# KiCad board coils_12_35_10_8_layer.kicad_pcb
title: Knobby Coil PCB 8 Layer; date: 2023-02-03; rev: 2.0
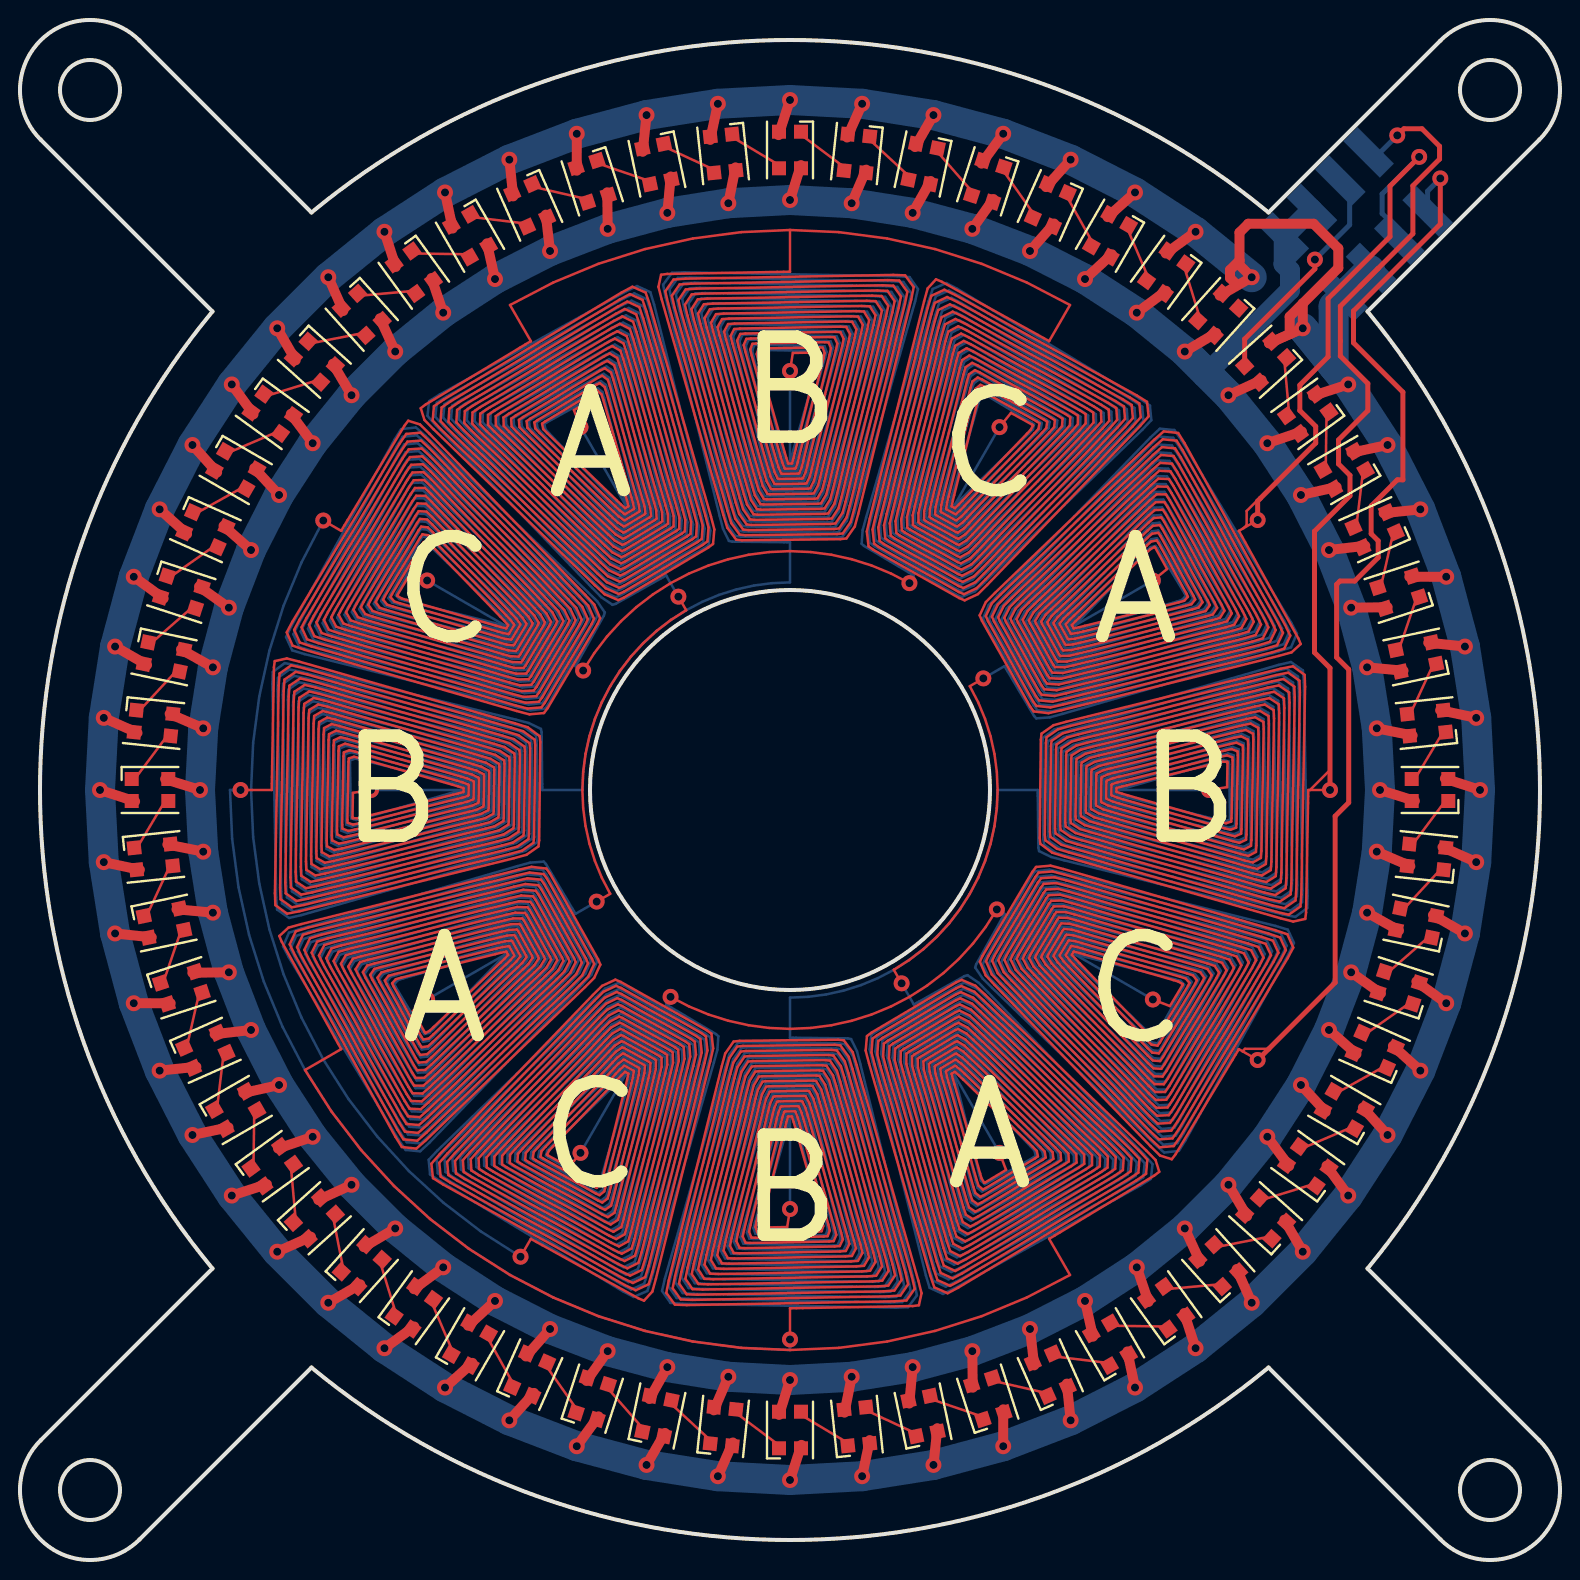
[diagram p0: board, top side]
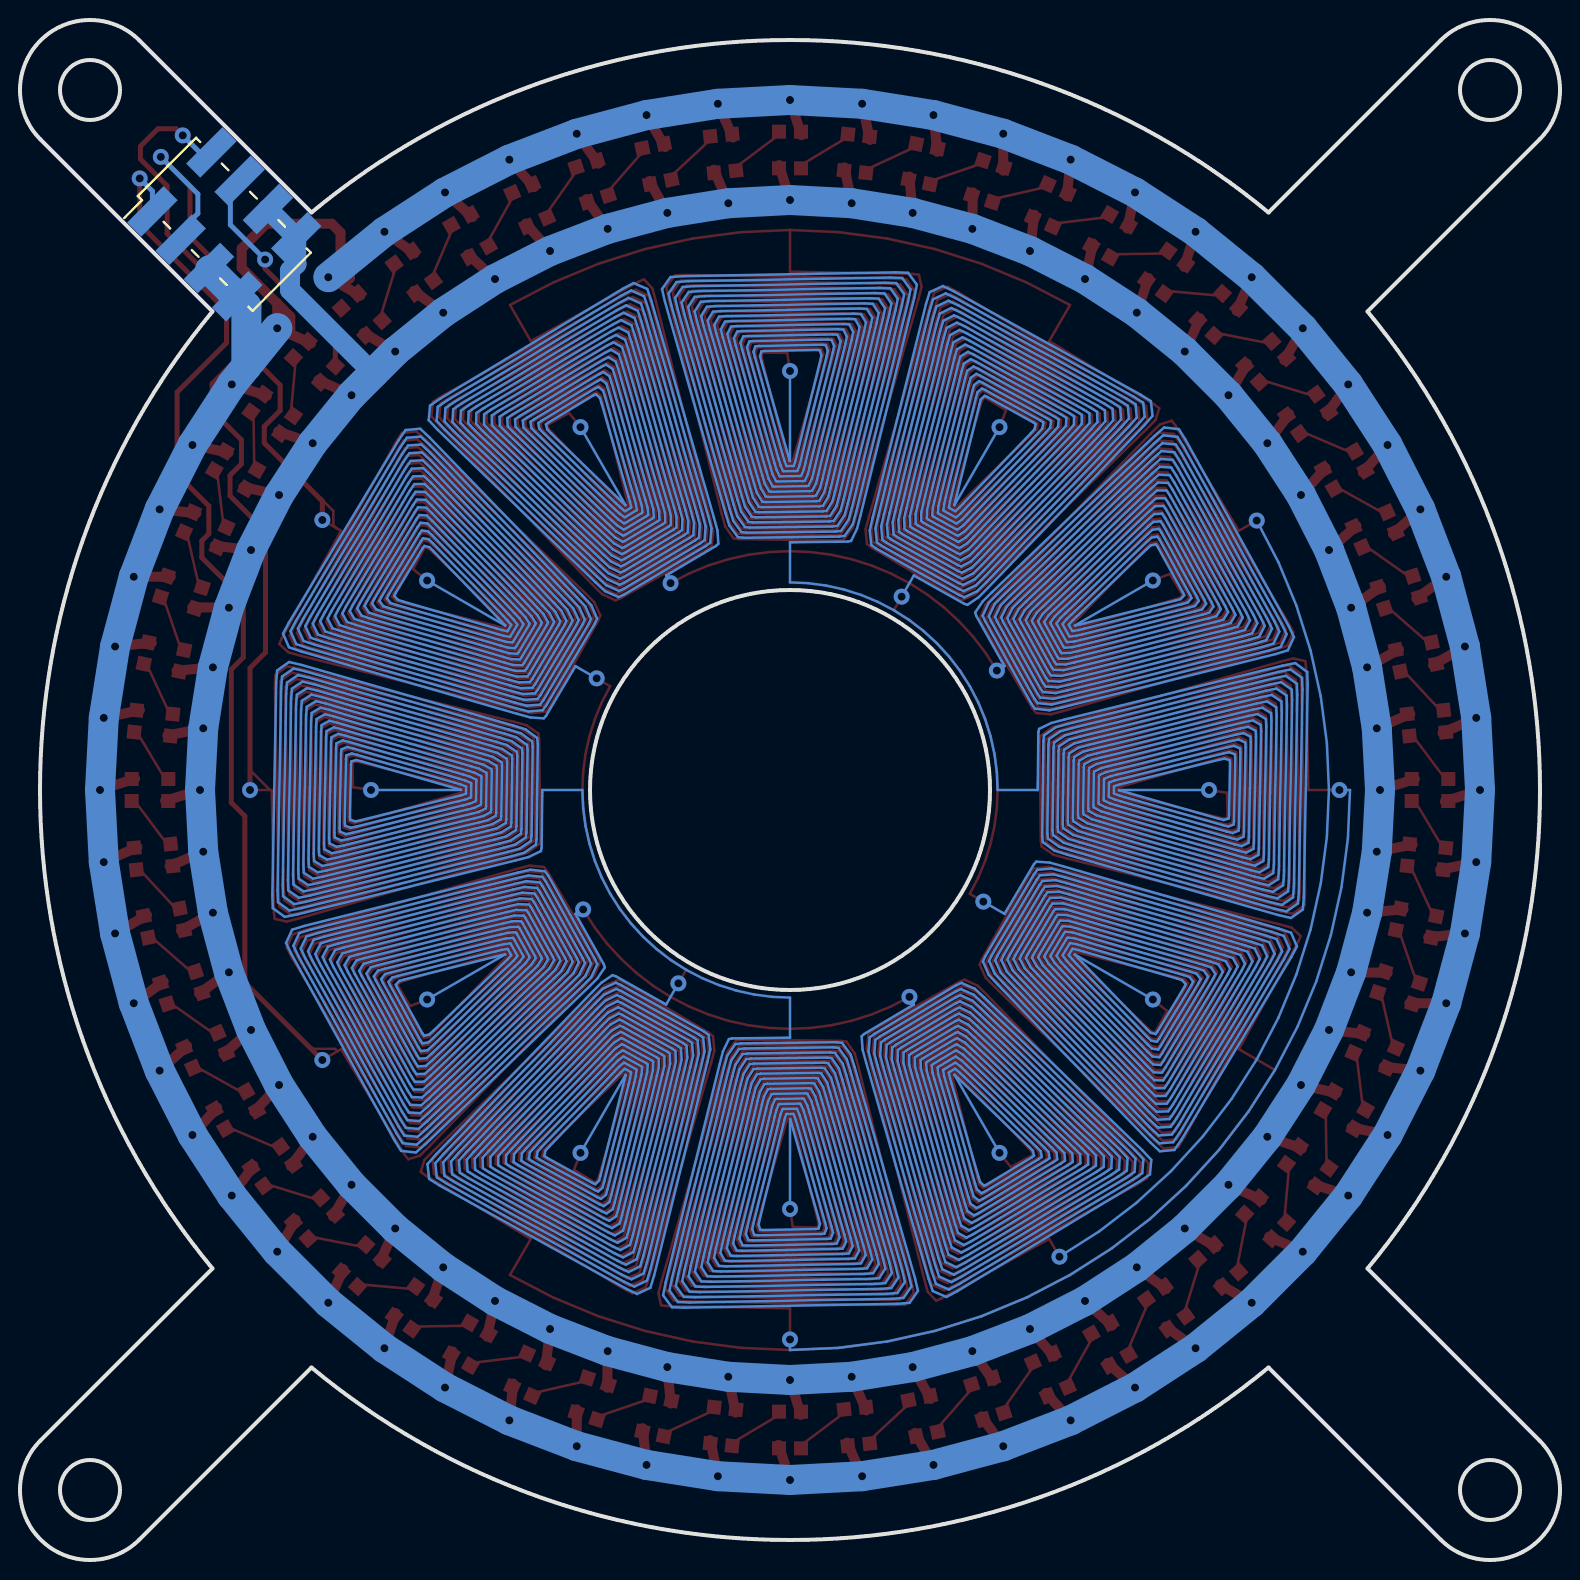
[diagram p1: board, bottom side, seen from below]

Outline 77 x 77 mm; copper layers: Top, In1.Cu, In2.Cu, In3.Cu, In4.Cu, In5.Cu, In6.Cu, Bottom. Coordinates in mm from the lower left corner of the outline.
Outline path: 48.5,38.33 48.49,38.15 48.49,37.98 48.48,37.8 48.46,37.63 48.45,37.45 48.43,37.28 48.4,37.11 48.38,36.94 48.35,36.76 48.32,36.59 48.28,36.42 48.24,36.25 48.2,36.08 48.16,35.91 48.11,35.74 48.06,35.58 48.01,35.41 47.96,35.24 47.9,35.08 47.84,34.92 47.77,34.75 47.71,34.59 47.64,34.43 47.56,34.27 47.49,34.12 47.41,33.96 47.33,33.81 47.25,33.65 47.16,33.5 47.07,33.35 46.98,33.2 46.89,33.05 46.79,32.91 46.69,32.76 46.59,32.62 46.49,32.48 46.38,32.34 46.27,32.21 46.16,32.07 46.05,31.94 45.93,31.81 45.81,31.68 45.69,31.55 45.57,31.43 45.45,31.31 45.32,31.19 45.19,31.07 45.06,30.95 44.93,30.84 44.79,30.73 44.66,30.62 44.52,30.51 44.38,30.41 44.24,30.31 44.09,30.21 43.95,30.11 43.8,30.02 43.65,29.93 43.5,29.84 43.35,29.75 43.19,29.67 43.04,29.59 42.88,29.51 42.73,29.44 42.57,29.36 42.41,29.29 42.25,29.23 42.08,29.16 41.92,29.1 41.76,29.04 41.59,28.99 41.42,28.94 41.26,28.89 41.09,28.84 40.92,28.8 40.75,28.76 40.58,28.72 40.41,28.68 40.24,28.65 40.06,28.62 39.89,28.6 39.72,28.57 39.55,28.55 39.37,28.54 39.2,28.52 39.02,28.51 38.85,28.51 38.67,28.5 38.5,28.5 38.33,28.5 38.15,28.51 37.98,28.51 37.8,28.52 37.63,28.54 37.45,28.55 37.28,28.57 37.11,28.6 36.94,28.62 36.76,28.65 36.59,28.68 36.42,28.72 36.25,28.76 36.08,28.8 35.91,28.84 35.74,28.89 35.58,28.94 35.41,28.99 35.24,29.04 35.08,29.1 34.92,29.16 34.75,29.23 34.59,29.29 34.43,29.36 34.27,29.44 34.12,29.51 33.96,29.59 33.81,29.67 33.65,29.75 33.5,29.84 33.35,29.93 33.2,30.02 33.05,30.11 32.91,30.21 32.76,30.31 32.62,30.41 32.48,30.51 32.34,30.62 32.21,30.73 32.07,30.84 31.94,30.95 31.81,31.07 31.68,31.19 31.55,31.31 31.43,31.43 31.31,31.55 31.19,31.68 31.07,31.81 30.95,31.94 30.84,32.07 30.73,32.21 30.62,32.34 30.51,32.48 30.41,32.62 30.31,32.76 30.21,32.91 30.11,33.05 30.02,33.2 29.93,33.35 29.84,33.5 29.75,33.65 29.67,33.81 29.59,33.96 29.51,34.12 29.44,34.27 29.36,34.43 29.29,34.59 29.23,34.75 29.16,34.92 29.1,35.08 29.04,35.24 28.99,35.41 28.94,35.58 28.89,35.74 28.84,35.91 28.8,36.08 28.76,36.25 28.72,36.42 28.68,36.59 28.65,36.76 28.62,36.94 28.6,37.11 28.57,37.28 28.55,37.45 28.54,37.63 28.52,37.8 28.51,37.98 28.51,38.15 28.5,38.33 28.5,38.5 28.5,38.67 28.51,38.85 28.51,39.02 28.52,39.2 28.54,39.37 28.55,39.55 28.57,39.72 28.6,39.89 28.62,40.06 28.65,40.24 28.68,40.41 28.72,40.58 28.76,40.75 28.8,40.92 28.84,41.09 28.89,41.26 28.94,41.42 28.99,41.59 29.04,41.76 29.1,41.92 29.16,42.08 29.23,42.25 29.29,42.41 29.36,42.57 29.44,42.73 29.51,42.88 29.59,43.04 29.67,43.19 29.75,43.35 29.84,43.5 29.93,43.65 30.02,43.8 30.11,43.95 30.21,44.09 30.31,44.24 30.41,44.38 30.51,44.52 30.62,44.66 30.73,44.79 30.84,44.93 30.95,45.06 31.07,45.19 31.19,45.32 31.31,45.45 31.43,45.57 31.55,45.69 31.68,45.81 31.81,45.93 31.94,46.05 32.07,46.16 32.21,46.27 32.34,46.38 32.48,46.49 32.62,46.59 32.76,46.69 32.91,46.79 33.05,46.89 33.2,46.98 33.35,47.07 33.5,47.16 33.65,47.25 33.81,47.33 33.96,47.41 34.12,47.49 34.27,47.56 34.43,47.64 34.59,47.71 34.75,47.77 34.92,47.84 35.08,47.9 35.24,47.96 35.41,48.01 35.58,48.06 35.74,48.11 35.91,48.16 36.08,48.2 36.25,48.24 36.42,48.28 36.59,48.32 36.76,48.35 36.94,48.38 37.11,48.4 37.28,48.43 37.45,48.45 37.63,48.46 37.8,48.48 37.98,48.49 38.15,48.49 38.33,48.5 38.5,48.5 38.67,48.5 38.85,48.49 39.02,48.49 39.2,48.48 39.37,48.46 39.55,48.45 39.72,48.43 39.89,48.4 40.06,48.38 40.24,48.35 40.41,48.32 40.58,48.28 40.75,48.24 40.92,48.2 41.09,48.16 41.26,48.11 41.42,48.06 41.59,48.01 41.76,47.96 41.92,47.9 42.08,47.84 42.25,47.77 42.41,47.71 42.57,47.64 42.73,47.56 42.88,47.49 43.04,47.41 43.19,47.33 43.35,47.25 43.5,47.16 43.65,47.07 43.8,46.98 43.95,46.89 44.09,46.79 44.24,46.69 44.38,46.59 44.52,46.49 44.66,46.38 44.79,46.27 44.93,46.16 45.06,46.05 45.19,45.93 45.32,45.81 45.45,45.69 45.57,45.57 45.69,45.45 45.81,45.32 45.93,45.19 46.05,45.06 46.16,44.93 46.27,44.79 46.38,44.66 46.49,44.52 46.59,44.38 46.69,44.24 46.79,44.09 46.89,43.95 46.98,43.8 47.07,43.65 47.16,43.5 47.25,43.35 47.33,43.19 47.41,43.04 47.49,42.88 47.56,42.73 47.64,42.57 47.71,42.41 47.77,42.25 47.84,42.08 47.9,41.92 47.96,41.76 48.01,41.59 48.06,41.42 48.11,41.26 48.16,41.09 48.2,40.92 48.24,40.75 48.28,40.58 48.32,40.41 48.35,40.24 48.38,40.06 48.4,39.89 48.43,39.72 48.45,39.55 48.46,39.37 48.48,39.2 48.49,39.02 48.49,38.85 48.5,38.67 48.5,38.5 closed ; circle c3.5,73.5 r1.5 ; circle c3.5,3.5 r1.5 ; circle c38.5,38.5 r10 ; circle c73.5,73.5 r1.5 ; circle c73.5,3.5 r1.5 ; 1.03,71.03 arc(1.03,75.97) 5.97,75.97 14.57,67.38 arc(38.5,76) 62.43,67.38 71.03,75.97 arc(75.97,75.97) 75.97,71.03 67.38,62.43 arc(76,38.5) 67.38,14.57 75.97,5.97 arc(75.97,1.03) 71.03,1.03 62.43,9.62 arc(38.5,1) 14.57,9.62 5.97,1.03 arc(1.03,1.03) 1.03,5.97 9.62,14.57 arc(1,38.5) 9.62,62.43 1.03,71.03
Stack: Top 0.035mm / dielectric 0.1mm FR4 er 4.5 / In1.Cu 0.035mm / dielectric 1.51mm FR4 er 4.5 / In2.Cu 0.035mm / dielectric 1.51mm FR4 er 4.5 / In3.Cu 0.035mm / dielectric 1.51mm FR4 er 4.5 / In4.Cu 0.035mm / dielectric 1.51mm FR4 er 4.5 / In5.Cu 0.035mm / dielectric 1.51mm FR4 er 4.5 / In6.Cu 0.035mm / dielectric 1.51mm FR4 er 4.5 / Bottom 0.035mm

## Placement (name value [footprint] x y rotation side)
REF**  -  [LED_WS2812B-2020_PLCC4_2.0x2.0mm]  6.5 38.5 0 top
REF**1  LED_WS2812B-2020_PLCC4_2.0x2.0mm  [LED_WS2812B-2020_PLCC4_2.0x2.0mm#3]  6.68 35.16 6 top
REF**2  -  [LED_WS2812B-2020_PLCC4_2.0x2.0mm]  7.2 31.85 12 top
REF**3  -  [LED_WS2812B-2020_PLCC4_2.0x2.0mm]  8.07 28.61 18 top
REF**4  -  [LED_WS2812B-2020_PLCC4_2.0x2.0mm]  9.27 25.48 24 top
REF**5  -  [LED_WS2812B-2020_PLCC4_2.0x2.0mm]  10.79 22.5 30 top
REF**6  -  [LED_WS2812B-2020_PLCC4_2.0x2.0mm]  12.61 19.69 36 top
REF**7  -  [LED_WS2812B-2020_PLCC4_2.0x2.0mm]  14.72 17.09 42 top
REF**8  -  [LED_WS2812B-2020_PLCC4_2.0x2.0mm]  17.09 14.72 48 top
REF**9  -  [LED_WS2812B-2020_PLCC4_2.0x2.0mm]  19.69 12.61 54 top
REF**10  -  [LED_WS2812B-2020_PLCC4_2.0x2.0mm]  22.5 10.79 60 top
REF**11  -  [LED_WS2812B-2020_PLCC4_2.0x2.0mm]  25.48 9.27 66 top
REF**12  -  [LED_WS2812B-2020_PLCC4_2.0x2.0mm]  28.61 8.07 72 top
REF**13  -  [LED_WS2812B-2020_PLCC4_2.0x2.0mm]  31.85 7.2 78 top
REF**14  LED_WS2812B-2020_PLCC4_2.0x2.0mm  [LED_WS2812B-2020_PLCC4_2.0x2.0mm#2]  35.16 6.68 84 top
REF**15  -  [LED_WS2812B-2020_PLCC4_2.0x2.0mm]  38.5 6.5 90 top
REF**16  LED_WS2812B-2020_PLCC4_2.0x2.0mm  [LED_WS2812B-2020_PLCC4_2.0x2.0mm#3]  41.84 6.68 96 top
REF**17  -  [LED_WS2812B-2020_PLCC4_2.0x2.0mm]  45.15 7.2 102 top
REF**18  -  [LED_WS2812B-2020_PLCC4_2.0x2.0mm]  48.39 8.07 108 top
REF**19  -  [LED_WS2812B-2020_PLCC4_2.0x2.0mm]  51.52 9.27 114 top
REF**20  -  [LED_WS2812B-2020_PLCC4_2.0x2.0mm]  54.5 10.79 120 top
REF**21  -  [LED_WS2812B-2020_PLCC4_2.0x2.0mm]  57.31 12.61 126 top
REF**22  -  [LED_WS2812B-2020_PLCC4_2.0x2.0mm]  59.91 14.72 132 top
REF**23  -  [LED_WS2812B-2020_PLCC4_2.0x2.0mm]  62.28 17.09 138 top
REF**24  -  [LED_WS2812B-2020_PLCC4_2.0x2.0mm]  64.39 19.69 144 top
REF**25  -  [LED_WS2812B-2020_PLCC4_2.0x2.0mm]  66.21 22.5 150 top
REF**26  -  [LED_WS2812B-2020_PLCC4_2.0x2.0mm]  67.73 25.48 156 top
REF**27  -  [LED_WS2812B-2020_PLCC4_2.0x2.0mm]  68.93 28.61 162 top
REF**28  -  [LED_WS2812B-2020_PLCC4_2.0x2.0mm]  69.8 31.85 168 top
REF**29  LED_WS2812B-2020_PLCC4_2.0x2.0mm  [LED_WS2812B-2020_PLCC4_2.0x2.0mm#2]  70.32 35.16 174 top
REF**30  -  [LED_WS2812B-2020_PLCC4_2.0x2.0mm]  70.5 38.5 180 top
REF**31  LED_WS2812B-2020_PLCC4_2.0x2.0mm  [LED_WS2812B-2020_PLCC4_2.0x2.0mm#3]  70.32 41.84 186 top
REF**32  -  [LED_WS2812B-2020_PLCC4_2.0x2.0mm]  69.8 45.15 192 top
REF**33  -  [LED_WS2812B-2020_PLCC4_2.0x2.0mm]  68.93 48.39 198 top
REF**34  -  [LED_WS2812B-2020_PLCC4_2.0x2.0mm]  67.73 51.52 204 top
REF**35  -  [LED_WS2812B-2020_PLCC4_2.0x2.0mm]  66.21 54.5 210 top
REF**36  -  [LED_WS2812B-2020_PLCC4_2.0x2.0mm]  64.39 57.31 216 top
REF**37  -  [LED_WS2812B-2020_PLCC4_2.0x2.0mm]  62.28 59.91 222 top
REF**38  -  [LED_WS2812B-2020_PLCC4_2.0x2.0mm]  59.91 62.28 228 top
REF**39  -  [LED_WS2812B-2020_PLCC4_2.0x2.0mm]  57.31 64.39 234 top
REF**40  -  [LED_WS2812B-2020_PLCC4_2.0x2.0mm]  54.5 66.21 240 top
REF**41  -  [LED_WS2812B-2020_PLCC4_2.0x2.0mm]  51.52 67.73 246 top
REF**42  -  [LED_WS2812B-2020_PLCC4_2.0x2.0mm]  48.39 68.93 252 top
REF**43  -  [LED_WS2812B-2020_PLCC4_2.0x2.0mm]  45.15 69.8 258 top
REF**44  LED_WS2812B-2020_PLCC4_2.0x2.0mm  [LED_WS2812B-2020_PLCC4_2.0x2.0mm#2]  41.84 70.32 264 top
REF**45  -  [LED_WS2812B-2020_PLCC4_2.0x2.0mm]  38.5 70.5 270 top
REF**46  LED_WS2812B-2020_PLCC4_2.0x2.0mm  [LED_WS2812B-2020_PLCC4_2.0x2.0mm#3]  35.16 70.32 276 top
REF**47  -  [LED_WS2812B-2020_PLCC4_2.0x2.0mm]  31.85 69.8 282 top
REF**48  -  [LED_WS2812B-2020_PLCC4_2.0x2.0mm]  28.61 68.93 288 top
REF**49  -  [LED_WS2812B-2020_PLCC4_2.0x2.0mm]  25.48 67.73 294 top
REF**50  -  [LED_WS2812B-2020_PLCC4_2.0x2.0mm]  22.5 66.21 300 top
REF**51  -  [LED_WS2812B-2020_PLCC4_2.0x2.0mm]  19.69 64.39 306 top
REF**52  -  [LED_WS2812B-2020_PLCC4_2.0x2.0mm]  17.09 62.28 312 top
REF**53  -  [LED_WS2812B-2020_PLCC4_2.0x2.0mm]  14.72 59.91 318 top
REF**54  -  [LED_WS2812B-2020_PLCC4_2.0x2.0mm]  12.61 57.31 324 top
REF**55  -  [LED_WS2812B-2020_PLCC4_2.0x2.0mm]  10.79 54.5 330 top
REF**56  -  [LED_WS2812B-2020_PLCC4_2.0x2.0mm]  9.27 51.52 336 top
REF**57  -  [LED_WS2812B-2020_PLCC4_2.0x2.0mm]  8.07 48.39 342 top
REF**58  -  [LED_WS2812B-2020_PLCC4_2.0x2.0mm]  7.2 45.15 348 top
REF**59  LED_WS2812B-2020_PLCC4_2.0x2.0mm  [LED_WS2812B-2020_PLCC4_2.0x2.0mm#2]  6.68 41.84 354 top
REF**#2  -  [PinHeader_2x04_P2.00mm_Vertical_SMD]  66.78 66.78 135 bottom

## Footprints (pads in the part's own frame, mm; a bottom-side part is the same pattern mirrored in y, then rotated)
LED_WS2812B-2020_PLCC4_2.0x2.0mm
  rect 0.7x0.7 smd: 1(-0.915,0.55) 2(-0.915,-0.55) 3(0.915,-0.55) 4(0.915,0.55)
LED_WS2812B-2020_PLCC4_2.0x2.0mm#2
  rect 0.7x0.7 smd: 1(-0.915,0.55) 2(-0.915,-0.55) 3(0.915,-0.55) 4(0.915,0.55)
LED_WS2812B-2020_PLCC4_2.0x2.0mm#3
  rect 0.7x0.7 smd: 1(-0.915,0.55) 2(-0.915,-0.55) 3(0.915,-0.55) 4(0.915,0.55)
PinHeader_2x04_P2.00mm_Vertical_SMD
  rect 2.58x1 smd: 1(-2.085,3) 2(2.085,3) 3(-2.085,1) 4(2.085,1) 5(-2.085,-1) 6(2.085,-1) 7(-2.085,-3) 8(2.085,-3)

## Nets
GND: REF**#2.5 REF**#2.7
coils: REF**#2.1 REF**#2.2 REF**#2.3
LED_IO_58: REF**37.3 REF**#2.4
V+: REF**#2.6 REF**#2.8

Pads without a net: REF** 1 2 3 4; REF**1 1 2 3 4; REF**2 1 2 3 4; REF**3 1 2 3 4; REF**4 1 2 3 4; REF**5 1 2 3 4; REF**6 1 2 3 4; REF**7 1 2 3 4; REF**8 1 2 3 4; REF**9 1 2 3 4; REF**10 1 2 3 4; REF**11 1 2 3 4; REF**12 1 2 3 4; REF**13 1 2 3 4; REF**14 1 2 3 4; REF**15 1 2 3 4; REF**16 1 2 3 4; REF**17 1 2 3 4; REF**18 1 2 3 4; REF**19 1 2 3 4; REF**20 1 2 3 4; REF**21 1 2 3 4; REF**22 1 2 3 4; REF**23 1 2 3 4; REF**24 1 2 3 4; REF**25 1 2 3 4; REF**26 1 2 3 4; REF**27 1 2 3 4; REF**28 1 2 3 4; REF**29 1 2 3 4; REF**30 1 2 3 4; REF**31 1 2 3 4; REF**32 1 2 3 4; REF**33 1 2 3 4; REF**34 1 2 3 4; REF**35 1 2 3 4; REF**36 1 2 3 4; REF**37 1 2 4; REF**38 1 2 3 4; REF**39 1 2 3 4; REF**40 1 2 3 4; REF**41 1 2 3 4; REF**42 1 2 3 4; REF**43 1 2 3 4; REF**44 1 2 3 4; REF**45 1 2 3 4; REF**46 1 2 3 4; REF**47 1 2 3 4; REF**48 1 2 3 4; REF**49 1 2 3 4; REF**50 1 2 3 4; REF**51 1 2 3 4; REF**52 1 2 3 4; REF**53 1 2 3 4; REF**54 1 2 3 4; REF**55 1 2 3 4; REF**56 1 2 3 4; REF**57 1 2 3 4; REF**58 1 2 3 4; REF**59 1 2 3 4

## Via types
v1: diameter 0.8, hole 0.4, Top to Bottom, 151 vias
